# Altium PCB PCB22.PcbDoc (part 13 of 16)
Units mm, origin at the board's own origin, x right, y up, seen from the top; angles counter-clockwise.
Board outline 233.7 x 110.51 mm, 4 copper layers (Top Layer, Layer 1, Layer 2, Bottom Layer), stack 0.603 mm thick; 1249 components, 1355 nets, 4549 pads, 1315 vias.
Unrouted connection lines stored in the file: 1569.
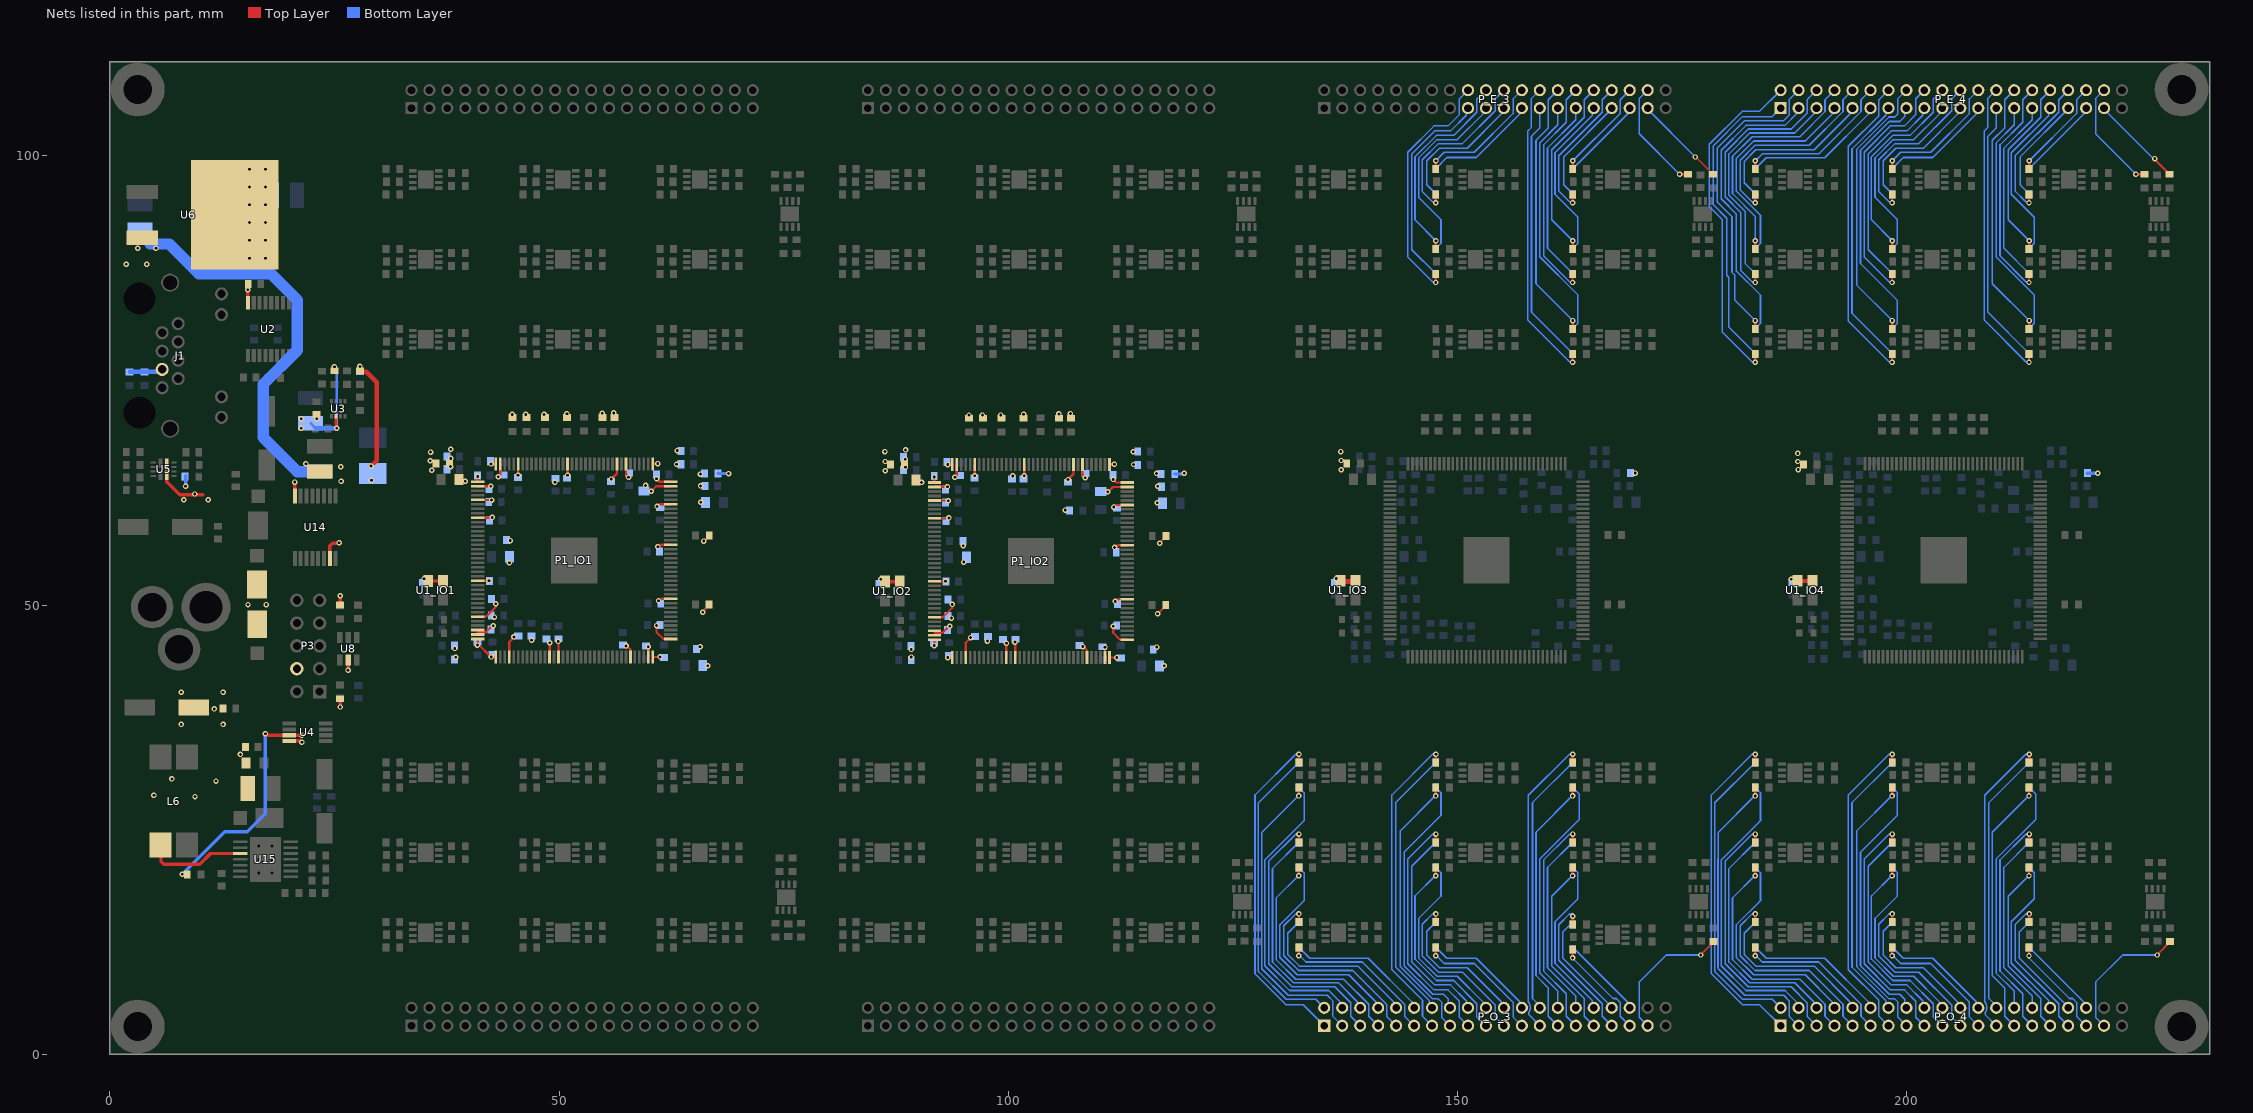
[diagram p15: the nets of this part, all layers, seen from the top]

## Via types
v1: diameter 0.61, hole 0.305, Top Layer to Bottom Layer, 1315 vias

## Nets (pads, with @x,y where several pads share a name; then routed paths per layer and width w, separated by ;. In a path a pad name is that pad's centre, name@x,y a point inside that pad or via, vN(x,y) a via of type N, cw(c..) or ccw(c..) an arc to the next point about the centre after c; other vN are vias at no path point) (continued)
V_OUT167: P_E_3.18 R27_U_VoltageAmplifier93.2 | length 27.5
  Top Layer w0.254: v1(147.565,85.919) 147.565,86.836 R27_U_VoltageAmplifier93.2@147.576,86.847
  Bottom Layer w0.178: v1(147.565,85.919) 147.482,86.002 147.219,86.002 144.461,88.76 144.461,100.431 147.375,103.345 148.946,103.345 150.21,104.609 150.21,106.38 P_E_3.18@151.16,107.33
V_OUT168: P_E_3.20 R29_U_VoltageAmplifier93.2 | length 23.1
  Top Layer w0.254: R29_U_VoltageAmplifier93.2@147.576,89.641 147.588,89.653 v1(147.588,90.569)
  Bottom Layer w0.178: v1(147.588,90.569) 145.267,92.89 145.267,99.912 147.647,102.292 149.569,102.292 152.148,104.871 152.148,106.318 P_E_3.20@153.16,107.33
V_OUT169: P_E_3.19 R27_U_VoltageAmplifier103.2 | length 21.4
  Bottom Layer w0.178: R27_U_VoltageAmplifier103.2@147.576,89.641 147.576,89.705 148.159,90.288 148.159,92.897 145.662,95.394 145.662,99.784 147.702,101.824 149.974,101.824 152.832,104.682 152.832,104.685 153.16,105.013 P_E_3.19@153.16,105.33
V_OUT170: P_E_3.17 R29_U_VoltageAmplifier103.2 | length 23.2
  Bottom Layer w0.178: R29_U_VoltageAmplifier103.2@147.576,86.847 147.576,86.911 144.911,89.576 144.911,100.227 147.473,102.789 149.22,102.789 150.972,104.542 150.972,105.142 P_E_3.17@151.16,105.33
V_OUT171: P_E_3.22 R27_U_VoltageAmplifier113.2 | length 19.5
  Top Layer w0.254: v1(147.565,94.809) 147.565,95.726 R27_U_VoltageAmplifier113.2@147.576,95.737
  Bottom Layer w0.178: v1(147.565,94.809) 147.482,94.892 147.219,94.892 146.075,96.035 146.075,99.576 147.882,101.382 150.544,101.382 154.193,105.031 154.193,106.363 P_E_3.22@155.16,107.33
V_OUT172: P_E_3.24 R29_U_VoltageAmplifier113.2 | length 14.7
  Top Layer w0.254: R29_U_VoltageAmplifier113.2@147.576,98.531 147.588,98.543 v1(147.588,99.459)
  Bottom Layer w0.178: v1(147.588,99.459) 148.53,100.401 151.859,100.401 156.177,104.719 156.177,106.347 P_E_3.24@157.16,107.33
V_OUT173: P_E_3.23 R27_U_VoltageAmplifier123.2 | length 12.7
  Bottom Layer w0.178: R27_U_VoltageAmplifier123.2@147.576,98.531 147.576,98.595 148.81,99.829 152.095,99.829 156.936,104.669 156.936,105.106 P_E_3.23@157.16,105.33
V_OUT174: P_E_3.21 R29_U_VoltageAmplifier123.2 | length 15.4
  Bottom Layer w0.178: R29_U_VoltageAmplifier123.2@147.576,95.737 147.576,95.801 146.573,96.804 146.573,99.468 147.98,100.875 151.067,100.875 154.853,104.661 154.853,104.705 155.16,105.013 P_E_3.21@155.16,105.33
V_OUT175: P_E_3.26 R27_U_VoltageAmplifier133.2 | length 34
  Top Layer w0.254: v1(162.805,77.029) 162.805,77.946 R27_U_VoltageAmplifier133.2@162.816,77.957
  Bottom Layer w0.178: P_E_3.26@159.16,107.33 158.218,106.388 158.218,103.169 157.821,102.772 157.821,98.34 157.825,98.336 157.825,87.525 157.821,87.521 157.821,81.75 162.459,77.112 162.722,77.112 v1(162.805,77.029)
V_OUT176: P_E_3.28 R29_U_VoltageAmplifier133.2 | length 29.3
  Top Layer w0.254: R29_U_VoltageAmplifier133.2@162.816,80.751 162.828,80.763 v1(162.828,81.679)
  Bottom Layer w0.178: P_E_3.28@161.16,107.33 160.102,106.272 160.102,103.119 158.729,101.746 158.729,85.778 v1(162.828,81.679)
V_OUT177: P_E_3.27 R27_U_VoltageAmplifier143.2 | length 27.4
  Bottom Layer w0.178: P_E_3.27@161.16,105.33 161.16,103.467 159.143,101.45 159.143,88.772 163.399,84.516 163.399,81.398 162.816,80.815 R27_U_VoltageAmplifier143.2@162.816,80.751
V_OUT178: P_E_3.25 R29_U_VoltageAmplifier143.2 | length 29.7
  Bottom Layer w0.178: P_E_3.25@159.16,105.33 159.16,103.117 158.236,102.192 158.236,82.601 162.816,78.021 R29_U_VoltageAmplifier143.2@162.816,77.957
V_OUT179: P_E_3.30 R27_U_VoltageAmplifier153.2 | length 25.3
  Top Layer w0.254: v1(162.805,85.919) 162.805,86.836 R27_U_VoltageAmplifier153.2@162.816,86.847
  Bottom Layer w0.178: v1(162.805,85.919) 162.722,86.002 162.459,86.002 159.577,88.883 159.577,101.233 162.102,103.757 162.102,106.272 P_E_3.30@163.16,107.33
V_OUT180: P_E_3.32 R29_U_VoltageAmplifier153.2 | length 20.6
  Top Layer w0.254: R29_U_VoltageAmplifier153.2@162.816,89.641 162.828,89.653 v1(162.828,90.569)
  Bottom Layer w0.178: v1(162.828,90.569) 160.485,92.912 160.485,100.68 164.102,104.297 164.102,106.272 P_E_3.32@165.16,107.33
V_OUT181: P_E_3.31 R27_U_VoltageAmplifier163.2 | length 18.8
  Bottom Layer w0.178: R27_U_VoltageAmplifier163.2@162.816,89.641 162.816,89.705 163.399,90.288 163.399,93.188 160.841,95.747 160.841,100.365 164.995,104.519 164.995,105.165 P_E_3.31@165.16,105.33
V_OUT182: P_E_3.29 R29_U_VoltageAmplifier163.2 | length 20.9
  Bottom Layer w0.178: R29_U_VoltageAmplifier163.2@162.816,86.847 162.816,86.911 160.011,89.715 160.011,100.878 163.16,104.026 P_E_3.29@163.16,105.33
V_OUT183: P_E_3.34 R27_U_VoltageAmplifier173.2 | length 16.7
  Top Layer w0.254: v1(162.805,94.809) 162.805,95.726 R27_U_VoltageAmplifier173.2@162.816,95.737
  Bottom Layer w0.178: v1(162.805,94.809) 162.722,94.892 162.459,94.892 161.255,96.096 161.255,100.029 166.102,104.876 166.102,106.272 P_E_3.34@167.16,107.33
V_OUT184: P_E_3.36 R29_U_VoltageAmplifier173.2 | length 11.4
  Top Layer w0.254: R29_U_VoltageAmplifier173.2@162.816,98.531 162.828,98.543 v1(162.828,99.459)
  Bottom Layer w0.178: v1(162.828,99.459) 168.102,104.733 168.102,106.272 P_E_3.36@169.16,107.33
V_OUT185: P_E_3.35 R27_U_VoltageAmplifier183.2 | length 9.1
  Bottom Layer w0.178: R27_U_VoltageAmplifier183.2@162.816,98.531 162.816,98.595 168.936,104.714 168.936,104.789 169.086,104.938 P_E_3.35@169.16,104.938
V_OUT186: P_E_3.33 R29_U_VoltageAmplifier183.2 | length 12.2
  Bottom Layer w0.178: R29_U_VoltageAmplifier183.2@162.816,95.737 162.816,95.801 161.813,96.804 161.813,99.897 167.16,105.244 P_E_3.33@167.16,105.33
V_OUT187: P_E_3.38 R27_U_VoltageAmplifier193.2 | length 12.5
  Top Layer w0.254: v1(174.709,97.973) 175.626,97.973 R27_U_VoltageAmplifier193.2@175.637,97.962
  Bottom Layer w0.178: P_E_3.38@171.16,107.33 170.218,106.388 170.218,102.464 v1(174.709,97.973)
V_OUT188: P_E_3.37 R29_U_VoltageAmplifier193.2 | length 10.5
  Top Layer w0.178: v1(176.463,99.888) 176.505,99.888 R29_U_VoltageAmplifier193.2@178.431,97.962
  Bottom Layer w0.178: P_E_3.37@171.16,105.33 171.16,105.191 v1(176.463,99.888) v1@176.545,99.806
V_OUT189: P_O_3.3 R27_U_VoltageAmplifier203.2 | length 34.6
  Top Layer w0.254: v1(132.325,28.769) 132.325,29.686 R27_U_VoltageAmplifier203.2@132.336,29.697
  Bottom Layer w0.178: v1@132.348,28.841 128.215,24.707 128.215,21.802 128.193,21.781 128.193,9.721 128.215,9.7 128.215,9.524 131.158,6.58 135.497,6.58 136.123,5.954 136.123,4.227 P_O_3.3@137.16,3.19
V_OUT190: P_O_3.1 R29_U_VoltageAmplifier203.2 | length 37.7
  Top Layer w0.254: R29_U_VoltageAmplifier203.2@132.336,32.491 132.348,32.503 v1(132.348,33.419)
  Bottom Layer w0.178: v1@132.325,33.491 132.242,33.408 131.979,33.408 127.456,28.885 127.456,8.985 130.911,5.53 132.82,5.53 P_O_3.1@135.16,3.19
V_OUT191: P_O_3.2 R27_U_VoltageAmplifier213.2 | length 34.1
  Bottom Layer w0.178: R27_U_VoltageAmplifier213.2@132.336,32.499 127.835,27.998 127.835,9.221 130.92,6.136 134.214,6.136 P_O_3.2@135.16,5.19
V_OUT192: P_O_3.4 R29_U_VoltageAmplifier213.2 | length 32.7
  Bottom Layer w0.178: R29_U_VoltageAmplifier213.2@132.336,29.769 132.336,29.705 132.919,29.122 132.919,26.004 128.549,21.633 128.549,9.869 131.302,7.115 135.647,7.115 136.936,5.827 136.936,5.414 P_O_3.4@137.16,5.19
V_OUT193: P_O_3.7 R27_U_VoltageAmplifier223.2 | length 26.6
  Top Layer w0.254: v1(132.325,19.879) 132.325,20.796 R27_U_VoltageAmplifier223.2@132.336,20.807
  Bottom Layer w0.178: v1@132.348,19.951 129.803,17.406 129.803,10.554 131.988,8.369 137.313,8.369 140.102,5.58 140.102,4.248 P_O_3.7@141.16,3.19
V_OUT194: P_O_3.5 R29_U_VoltageAmplifier223.2 | length 30.9
  Top Layer w0.254: R29_U_VoltageAmplifier223.2@132.336,23.601 132.348,23.613 v1(132.348,24.529)
  Bottom Layer w0.178: v1@132.325,24.601 132.242,24.518 131.979,24.518 128.989,21.528 128.989,10.092 131.56,7.52 136.335,7.52 138.102,5.753 138.102,4.248 P_O_3.5@139.16,3.19
V_OUT195: P_O_3.6 R27_U_VoltageAmplifier233.2 | length 26.7
  Bottom Layer w0.178: R27_U_VoltageAmplifier233.2@132.336,23.673 132.336,23.609 129.407,20.68 129.407,10.29 131.732,7.964 136.736,7.964 138.847,5.853 138.847,5.82 139.16,5.507 P_O_3.6@139.16,5.19
V_OUT196: P_O_3.8 R29_U_VoltageAmplifier233.2 | length 25
  Bottom Layer w0.178: R29_U_VoltageAmplifier233.2@132.336,20.879 132.336,20.815 132.919,20.232 132.919,17.114 130.199,14.394 130.199,10.818 132.165,8.852 137.904,8.852 140.936,5.82 140.936,5.414 P_O_3.8@141.16,5.19
V_OUT197: P_O_3.11 R27_U_VoltageAmplifier243.2 | length 17.8
  Top Layer w0.254: v1(132.325,10.989) 132.325,11.906 R27_U_VoltageAmplifier243.2@132.336,11.917
  Bottom Layer w0.178: v1@132.348,11.061 133.12,10.289 139.393,10.289 144.102,5.58 144.102,4.248 P_O_3.11@145.16,3.19
V_OUT198: P_O_3.9 R29_U_VoltageAmplifier243.2 | length 23
  Top Layer w0.254: R29_U_VoltageAmplifier243.2@132.336,14.711 132.348,14.723 v1(132.348,15.639)
  Bottom Layer w0.178: v1@132.325,15.711 132.242,15.628 131.979,15.628 130.661,14.31 130.661,10.994 132.32,9.335 138.346,9.335 142.102,5.58 142.102,4.248 P_O_3.9@143.16,3.19
V_OUT199: P_O_3.10 R27_U_VoltageAmplifier253.2 | length 18.9
  Bottom Layer w0.178: R27_U_VoltageAmplifier253.2@132.336,14.783 132.336,14.719 131.101,13.484 131.101,11.126 132.395,9.832 138.903,9.832 142.864,5.871 142.864,5.803 143.16,5.507 P_O_3.10@143.16,5.19
V_OUT200: P_O_3.12 R29_U_VoltageAmplifier253.2 | length 15.9
  Bottom Layer w0.178: R29_U_VoltageAmplifier253.2@132.336,11.989 132.336,11.925 133.551,10.711 140.068,10.711 144.936,5.843 144.936,5.414 P_O_3.12@145.16,5.19
V_OUT201: P_O_3.15 R27_U_VoltageAmplifier263.2 | length 30.9
  Top Layer w0.254: v1(147.565,28.769) 147.565,29.686 R27_U_VoltageAmplifier263.2@147.576,29.697
  Bottom Layer w0.178: v1@147.588,28.841 143.616,24.869 143.616,9.789 147.226,6.179 147.864,6.179 148.218,5.824 148.218,4.132 P_O_3.15@149.16,3.19
V_OUT202: P_O_3.13 R29_U_VoltageAmplifier263.2 | length 35.3
  Top Layer w0.254: R29_U_VoltageAmplifier263.2@147.576,32.491 147.588,32.503 v1(147.588,33.419)
  Bottom Layer w0.178: P_O_3.13@147.16,3.19 146.102,4.248 146.102,6.028 142.696,9.434 142.696,28.885 147.219,33.408 147.482,33.408 v1@147.565,33.491
V_OUT203: P_O_3.14 R27_U_VoltageAmplifier273.2 | length 30.9
  Bottom Layer w0.178: P_O_3.14@147.16,5.19 147.16,5.507 146.848,5.819 146.848,5.994 143.109,9.733 143.109,28.032 147.576,32.499 R27_U_VoltageAmplifier273.2@147.576,32.563
V_OUT204: P_O_3.16 R29_U_VoltageAmplifier273.2 | length 29.1
  Bottom Layer w0.178: R29_U_VoltageAmplifier273.2@147.576,29.769 147.576,29.705 148.159,29.122 148.159,26.606 144.048,22.494 144.048,9.881 147.244,6.684 148.43,6.684 148.982,6.132 P_O_3.16@148.982,5.368
V_OUT205: P_O_3.19 R27_U_VoltageAmplifier283.2 | length 23.1
  Top Layer w0.254: v1(147.565,19.879) 147.565,20.796 R27_U_VoltageAmplifier283.2@147.576,20.807
  Bottom Layer w0.178: v1@147.588,19.951 145.267,17.63 145.267,10.608 147.647,8.228 149.569,8.228 152.148,5.649 152.148,4.202 P_O_3.19@153.16,3.19
V_OUT206: P_O_3.17 R29_U_VoltageAmplifier283.2 | length 27.5
  Top Layer w0.254: R29_U_VoltageAmplifier283.2@147.576,23.601 147.588,23.613 v1(147.588,24.529)
  Bottom Layer w0.178: v1@147.565,24.601 147.482,24.518 147.219,24.518 144.461,21.76 144.461,10.089 147.375,7.175 148.946,7.175 150.21,5.911 150.21,4.14 P_O_3.17@151.16,3.19
V_OUT207: P_O_3.18 R27_U_VoltageAmplifier293.2 | length 23.2
  Bottom Layer w0.178: R27_U_VoltageAmplifier293.2@147.576,23.673 147.576,23.609 144.911,20.944 144.911,10.293 147.473,7.731 149.22,7.731 150.972,5.978 150.972,5.378 P_O_3.18@151.16,5.19
V_OUT208: P_O_3.20 R29_U_VoltageAmplifier293.2 | length 21.4
  Bottom Layer w0.178: R29_U_VoltageAmplifier293.2@147.576,20.879 147.576,20.815 148.159,20.232 148.159,17.623 145.662,15.126 145.662,10.736 147.702,8.696 149.974,8.696 152.832,5.838 152.832,5.835 153.16,5.507 P_O_3.20@153.16,5.19
V_OUT209: P_O_3.23 R27_U_VoltageAmplifier303.2 | length 14.7
  Top Layer w0.254: v1(147.565,10.989) 147.565,11.906 R27_U_VoltageAmplifier303.2@147.576,11.917
  Bottom Layer w0.178: v1@147.588,11.061 148.53,10.119 151.859,10.119 156.177,5.801 156.177,4.173 P_O_3.23@157.16,3.19
V_OUT210: P_O_3.21 R29_U_VoltageAmplifier303.2 | length 19.5
  Top Layer w0.254: R29_U_VoltageAmplifier303.2@147.576,14.711 147.588,14.723 v1(147.588,15.639)
  Bottom Layer w0.178: v1@147.565,15.711 147.482,15.628 147.219,15.628 146.075,14.485 146.075,10.944 147.882,9.138 150.544,9.138 154.193,5.489 154.193,4.157 P_O_3.21@155.16,3.19
V_OUT211: P_O_3.22 R27_U_VoltageAmplifier313.2 | length 15.4
  Bottom Layer w0.178: R27_U_VoltageAmplifier313.2@147.576,14.783 147.576,14.719 146.573,13.716 146.573,11.052 147.98,9.645 151.067,9.645 154.853,5.859 154.853,5.815 155.16,5.507 P_O_3.22@155.16,5.19
V_OUT212: P_O_3.24 R29_U_VoltageAmplifier313.2 | length 12.7
  Bottom Layer w0.178: R29_U_VoltageAmplifier313.2@147.576,11.989 147.576,11.925 148.81,10.691 152.095,10.691 156.936,5.851 156.936,5.414 P_O_3.24@157.16,5.19
V_OUT213: P_O_3.27 R27_U_VoltageAmplifier323.2 | length 29.3
  Top Layer w0.254: v1(162.805,28.769) 162.805,29.686 R27_U_VoltageAmplifier323.2@162.816,29.697
  Bottom Layer w0.178: P_O_3.27@161.16,3.19 160.102,4.248 160.102,7.401 158.729,8.774 158.729,24.742 v1@162.828,28.841
V_OUT214: P_O_3.25 R29_U_VoltageAmplifier323.2 | length 34
  Top Layer w0.254: R29_U_VoltageAmplifier323.2@162.816,32.491 162.828,32.503 v1(162.828,33.419)
  Bottom Layer w0.178: P_O_3.25@159.16,3.19 157.92,4.43 157.92,4.634 ccw(c157.16,5.19) 158.102,5.19 ccw(c156.959,5.19) 157.881,5.865 157.881,28.83 162.459,33.408 162.722,33.408 v1@162.805,33.491
V_OUT215: P_O_3.26 R27_U_VoltageAmplifier333.2 | length 29.5
  Bottom Layer w0.178: P_O_3.26@159.16,5.19 159.16,5.41 158.347,6.223 158.347,28.03 R27_U_VoltageAmplifier333.2@162.816,32.499
V_OUT216: P_O_3.28 R29_U_VoltageAmplifier333.2 | length 27.5
  Bottom Layer w0.178: P_O_3.28@161.16,5.19 161.16,7.053 159.143,9.07 159.143,21.748 163.543,26.147 163.543,28.979 R29_U_VoltageAmplifier333.2@162.816,29.705
V_OUT217: P_O_3.31 R27_U_VoltageAmplifier343.2 | length 20.6
  Top Layer w0.254: v1(162.805,19.879) 162.805,20.796 R27_U_VoltageAmplifier343.2@162.816,20.807
  Bottom Layer w0.178: v1@162.828,19.951 160.485,17.608 160.485,9.84 164.102,6.223 164.102,4.248 P_O_3.31@165.16,3.19
V_OUT218: P_O_3.29 R29_U_VoltageAmplifier343.2 | length 25.3
  Top Layer w0.254: R29_U_VoltageAmplifier343.2@162.816,23.601 162.828,23.613 v1(162.828,24.529)
  Bottom Layer w0.178: v1@162.805,24.601 162.722,24.518 162.459,24.518 159.577,21.637 159.577,9.287 162.102,6.763 162.102,4.248 P_O_3.29@163.16,3.19
V_OUT219: P_O_3.30 R27_U_VoltageAmplifier353.2 | length 20.9
  Bottom Layer w0.178: R27_U_VoltageAmplifier353.2@162.816,23.673 162.816,23.609 160.011,20.805 160.011,9.642 163.16,6.494 P_O_3.30@163.16,5.19
V_OUT220: P_O_3.32 R29_U_VoltageAmplifier353.2 | length 18.8
  Bottom Layer w0.178: R29_U_VoltageAmplifier353.2@162.816,20.879 162.816,20.815 163.399,20.232 163.399,17.332 160.841,14.773 160.841,10.155 164.995,6.001 164.995,5.355 P_O_3.32@165.16,5.19
V_OUT221: P_O_3.35 R27_U_VoltageAmplifier363.2 | length 11.3
  Top Layer w0.254: v1(162.805,10.735) 162.805,11.652 R27_U_VoltageAmplifier363.2@162.816,11.663
  Bottom Layer w0.178: v1(162.805,10.735) 167.312,6.227 167.661,6.227 168.102,5.787 168.102,4.248 P_O_3.35@169.16,3.19
V_OUT222: P_O_3.33 R29_U_VoltageAmplifier363.2 | length 16.7
  Top Layer w0.254: R29_U_VoltageAmplifier363.2@162.816,14.457 162.828,14.469 v1(162.828,15.385)
  Bottom Layer w0.178: 162.805,15.711 162.722,15.628 162.459,15.628 161.255,14.424 161.255,10.491 166.102,5.644 166.102,4.248 P_O_3.33@167.16,3.19
V_OUT223: P_O_3.34 R27_U_VoltageAmplifier373.2 | length 12.2
  Bottom Layer w0.178: R27_U_VoltageAmplifier373.2@162.816,14.719 161.714,13.617 161.714,10.722 167.16,5.276 P_O_3.34@167.16,5.19
V_OUT224: P_O_3.36 R29_U_VoltageAmplifier373.2 | length 9.1
  Bottom Layer w0.178: R29_U_VoltageAmplifier373.2@162.816,11.989 162.816,11.925 168.936,5.806 168.936,5.731 169.086,5.582 P_O_3.36@169.16,5.582
V_OUT225: P_O_3.37 R27_U_VoltageAmplifier383.2 | length 15.5
  Top Layer w0.178: v1@177.07,11.102 R27_U_VoltageAmplifier383.2@178.514,12.547
  Top Layer w0.254: v1(177.07,11.064) v1@177.07,11.102 ; R27_U_VoltageAmplifier383.2@178.503,12.558 R27_U_VoltageAmplifier383.2@178.514,12.547
  Bottom Layer w0.178: P_O_3.37@171.16,3.19 170.218,4.132 170.218,8.056 173.226,11.064 v1(177.07,11.064)
V_OUT226: P_E_4.2 R27_U_VoltageAmplifier14.2 | length 37.9
  Top Layer w0.254: v1(183.125,77.029) 183.125,77.946 R27_U_VoltageAmplifier14.2@183.136,77.957
  Bottom Layer w0.178: v1(183.125,77.029) 183.042,77.112 182.779,77.112 179.446,80.444 179.446,92.958 178.029,94.376 178.029,101.308 181.711,104.99 183.62,104.99 P_E_4.2@185.96,107.33
V_OUT227: P_E_4.4 R29_U_VoltageAmplifier14.2 | length 34.6
  Top Layer w0.254: R29_U_VoltageAmplifier14.2@183.136,80.751 183.148,80.763 v1(183.148,81.679)
  Bottom Layer w0.178: v1(183.148,81.679) 180.873,83.955 180.873,86.718 180.553,87.038 180.553,93.246 178.887,94.912 178.887,100.868 181.958,103.94 186.297,103.94 186.923,104.566 186.923,106.293 P_E_4.4@187.96,107.33
V_OUT228: P_E_4.3 R27_U_VoltageAmplifier24.2 | length 32.7
  Bottom Layer w0.178: R27_U_VoltageAmplifier24.2@183.136,80.751 183.136,80.815 183.719,81.398 183.719,84.516 181.029,87.206 181.029,93.553 179.349,95.233 179.349,100.651 182.102,103.405 186.447,103.405 187.736,104.693 187.736,105.106 P_E_4.3@187.96,105.33
V_OUT229: P_E_4.1 R29_U_VoltageAmplifier24.2 | length 34.4
  Bottom Layer w0.178: R29_U_VoltageAmplifier24.2@183.136,77.957 183.136,78.021 180.18,80.976 180.18,86.502 179.969,86.714 179.969,93.077 178.447,94.599 178.447,101.11 181.72,104.384 185.014,104.384 P_E_4.1@185.96,105.33
V_OUT230: P_E_4.6 R27_U_VoltageAmplifier34.2 | length 30.9
  Top Layer w0.254: v1(183.125,85.919) 183.125,86.836 R27_U_VoltageAmplifier34.2@183.136,86.847
  Bottom Layer w0.178: v1(183.125,85.919) 183.042,86.002 182.779,86.002 181.505,87.275 181.505,93.738 179.789,95.454 179.789,100.428 182.36,103 187.135,103 188.902,104.767 188.902,106.272 P_E_4.6@189.96,107.33
V_OUT231: P_E_4.8 R29_U_VoltageAmplifier34.2 | length 26.6
  Top Layer w0.254: R29_U_VoltageAmplifier34.2@183.136,89.641 183.148,89.653 v1(183.148,90.569)
  Bottom Layer w0.178: v1(183.148,90.569) 183.148,93.268 180.603,95.813 180.603,99.966 182.788,102.151 188.113,102.151 190.902,104.94 190.902,106.272 P_E_4.8@191.96,107.33
V_OUT232: P_E_4.7 R27_U_VoltageAmplifier44.2 | length 25
  Bottom Layer w0.178: R27_U_VoltageAmplifier44.2@183.136,89.641 183.136,89.705 183.719,90.288 183.719,93.406 180.999,96.126 180.999,99.702 182.965,101.668 188.704,101.668 191.736,104.7 191.736,105.106 P_E_4.7@191.96,105.33
V_OUT233: P_E_4.5 R29_U_VoltageAmplifier44.2 | length 26.7
  Bottom Layer w0.178: R29_U_VoltageAmplifier44.2@183.136,86.847 183.136,86.911 182.002,88.045 182.002,93.84 180.207,95.635 180.207,100.23 182.532,102.556 187.536,102.556 189.647,104.667 189.647,104.7 189.96,105.013 P_E_4.5@189.96,105.33
V_OUT234: P_E_4.10 R27_U_VoltageAmplifier54.2 | length 23
  Top Layer w0.254: v1(183.125,94.809) 183.125,95.726 R27_U_VoltageAmplifier54.2@183.136,95.737
  Bottom Layer w0.178: v1(183.125,94.809) 183.042,94.892 182.779,94.892 181.461,96.21 181.461,99.526 183.12,101.185 189.146,101.185 192.902,104.94 192.902,106.272 P_E_4.10@193.96,107.33
V_OUT235: P_E_4.12 R29_U_VoltageAmplifier54.2 | length 17.8
  Top Layer w0.254: R29_U_VoltageAmplifier54.2@183.136,98.531 183.148,98.543 v1(183.148,99.459)
  Bottom Layer w0.178: v1(183.148,99.459) 183.92,100.231 190.193,100.231 194.902,104.94 194.902,106.272 P_E_4.12@195.96,107.33
V_OUT236: P_E_4.11 R27_U_VoltageAmplifier64.2 | length 15.9
  Bottom Layer w0.178: R27_U_VoltageAmplifier64.2@183.136,98.531 183.136,98.595 184.351,99.809 190.868,99.809 195.736,104.677 195.736,105.106 P_E_4.11@195.96,105.33
V_OUT237: P_E_4.9 R29_U_VoltageAmplifier64.2 | length 18.9
  Bottom Layer w0.178: R29_U_VoltageAmplifier64.2@183.136,95.737 183.136,95.801 181.901,97.036 181.901,99.394 183.195,100.688 189.703,100.688 193.664,104.649 193.664,104.717 193.96,105.013 P_E_4.9@193.96,105.33
V_OUT238: P_E_4.14 R27_U_VoltageAmplifier74.2 | length 35.3
  Top Layer w0.254: v1(198.365,77.029) 198.365,77.946 R27_U_VoltageAmplifier74.2@198.376,77.957
  Bottom Layer w0.178: P_E_4.14@197.96,107.33 196.902,106.272 196.902,104.492 193.496,101.086 193.496,81.635 198.019,77.112 198.282,77.112 v1(198.365,77.029)
V_OUT239: P_E_4.16 R29_U_VoltageAmplifier74.2 | length 30.9
  Top Layer w0.254: R29_U_VoltageAmplifier74.2@198.376,80.751 198.388,80.763 v1(198.388,81.679)
  Bottom Layer w0.178: v1(198.388,81.679) 194.416,85.651 194.416,100.731 198.026,104.341 198.664,104.341 199.018,104.696 199.018,106.388 P_E_4.16@199.96,107.33
V_OUT240: P_E_4.15 R27_U_VoltageAmplifier84.2 | length 29.1
  Bottom Layer w0.178: R27_U_VoltageAmplifier84.2@198.376,80.751 198.376,80.815 198.959,81.398 198.959,83.914 194.848,88.026 194.848,100.639 198.044,103.836 199.23,103.836 199.782,104.388 P_E_4.15@199.782,105.152
V_OUT241: P_E_4.13 R29_U_VoltageAmplifier84.2 | length 30.9